# KiCad board CXD-ROUTER-V1.0_PUBLISH.kicad_pcb (continued)
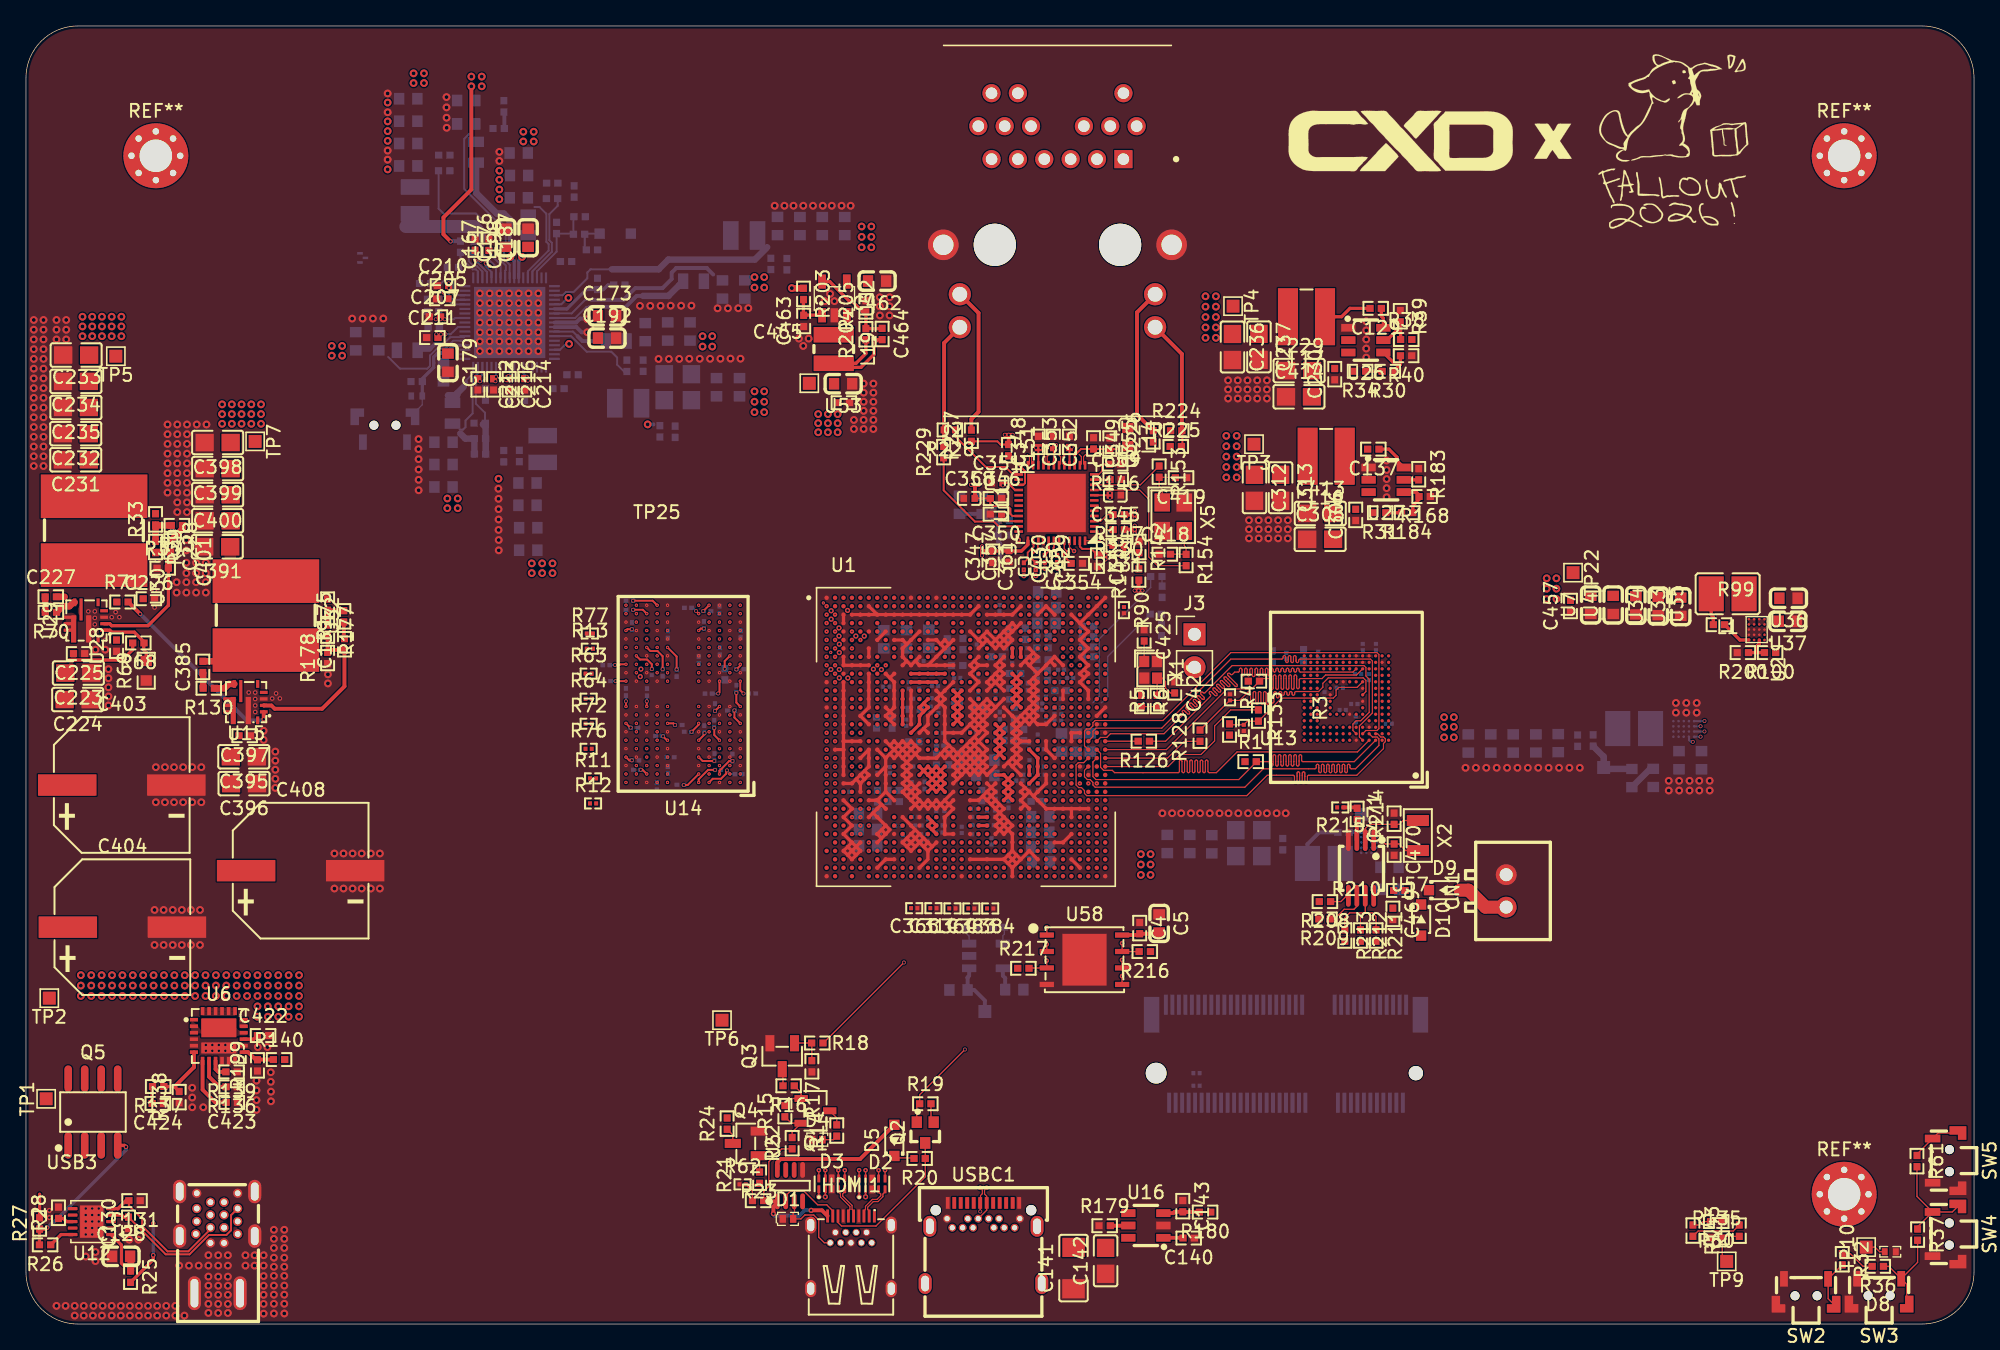
[diagram p0: board, top side]
## Routing (per net, layer and track width the routed paths; a pad name or vN(x,y) marks a point on that pad's centre or on a via; arc(x,y) is an arc through that point) (continued)
DDR_CH0_DQ6_B: length 31
  In1.Cu w0.09: v12(61.97,51.74) 61.66,52.05 v2(61.65,52.05) ; 52.65,54.08 v2(52.6,54.08) v7(52.9,53.78)
  In2.Cu w0.131: v12(61.97,51.74) 61.97,51.66 62.05,51.58 62.2,51.58 62.28,51.66 62.28,52.04 62.22,52.11 61.4,52.11 arc(61.35,52.09) 61.33,52.03 arc(61.3,51.98) 61.25,51.96 61.19,51.96 arc(61.14,51.98) 61.11,52.03 arc(61.09,52.09) 61.04,52.11 60.98,52.11 arc(60.93,52.09) 60.9,52.03 arc(60.88,51.98) 60.83,51.96 60.77,51.96 arc(60.72,51.98) 60.69,52.03 arc(60.67,52.09) 60.62,52.11 60.52,52.11 60.15,52.48 arc(60.12,52.55) 60.15,52.63 60.17,52.66 arc(60.21,52.73) 60.17,52.8 arc(60.1,52.83) 60.03,52.8 60,52.78 arc(59.92,52.75) 59.85,52.78 arc(59.82,52.85) 59.85,52.92 59.88,52.95 arc(59.91,53.03) 59.88,53.1 arc(59.8,53.13) 59.73,53.1 59.7,53.07 arc(59.63,53.04) 59.55,53.07 arc(59.52,53.15) 59.55,53.22 59.58,53.25 arc(59.61,53.33) 59.58,53.4 arc(59.5,53.43) 59.43,53.4 59.4,53.37 arc(59.33,53.34) 59.25,53.37 arc(59.22,53.45) 59.25,53.52 59.28,53.55 arc(59.31,53.62) 59.28,53.7 arc(59.21,53.73) 59.13,53.7 59.1,53.67 arc(59.03,53.64) 58.96,53.67 arc(58.92,53.74) 58.96,53.82 58.98,53.85 arc(59.01,53.92) 58.98,54 arc(58.91,54.03) 58.83,54 58.81,53.97 arc(58.73,53.94) 58.66,53.97 arc(58.63,54.04) 58.66,54.12 58.69,54.14 arc(58.72,54.22) 58.69,54.29 arc(58.61,54.32) 58.54,54.29 58.51,54.27 arc(58.43,54.23) 58.36,54.27 arc(58.33,54.34) 58.36,54.41 58.39,54.44 arc(58.42,54.52) 58.39,54.59 arc(58.31,54.62) 58.24,54.59 58.21,54.56 arc(58.14,54.53) 58.06,54.56 arc(58.03,54.64) 58.06,54.71 58.09,54.74 arc(58.12,54.81) 58.09,54.89 arc(58.02,54.92) 57.94,54.89 57.91,54.86 arc(57.84,54.83) 57.76,54.86 arc(57.73,54.94) 57.76,55.01 57.79,55.04 arc(57.82,55.11) 57.79,55.19 arc(57.72,55.22) 57.64,55.19 57.62,55.16 arc(57.54,55.13) 57.47,55.16 arc(57.44,55.23) 57.47,55.31 57.49,55.34 arc(57.52,55.41) 57.49,55.48 arc(57.42,55.52) 57.35,55.48 57.32,55.46 arc(57.24,55.43) 57.17,55.46 arc(57.14,55.53) 57.17,55.61 57.2,55.63 arc(57.23,55.71) 57.2,55.78 arc(57.12,55.81) 57.05,55.78 57.02,55.75 arc(56.95,55.72) 56.87,55.75 arc(56.84,55.83) 56.87,55.9 56.9,55.93 arc(56.93,56.01) 56.9,56.08 arc(56.82,56.11) 56.75,56.08 56.72,56.05 arc(56.65,56.02) 56.57,56.05 56.35,56.28 56.11,56.28 arc(56.04,56.31) 56,56.38 56,56.52 arc(55.97,56.59) 55.9,56.62 arc(55.82,56.59) 55.79,56.52 55.79,56.38 arc(55.76,56.31) 55.69,56.28 arc(55.61,56.31) 55.58,56.38 55.58,56.52 arc(55.55,56.59) 55.48,56.62 arc(55.4,56.59) 55.37,56.52 55.37,56.38 arc(55.34,56.31) 55.27,56.28 arc(55.19,56.31) 55.16,56.38 55.16,56.52 arc(55.13,56.59) 55.06,56.62 arc(54.98,56.59) 54.95,56.52 54.95,56.38 arc(54.92,56.31) 54.85,56.28 arc(54.77,56.31) 54.74,56.38 54.74,56.52 arc(54.71,56.59) 54.64,56.62 arc(54.56,56.59) 54.53,56.52 54.53,56.38 arc(54.5,56.31) 54.43,56.28 arc(54.35,56.31) 54.32,56.38 54.32,56.52 arc(54.29,56.59) 54.21,56.62 arc(54.14,56.59) 54.11,56.52 54.11,56.38 arc(54.08,56.31) 54,56.28 53.8,56.28 53.77,56.24 arc(53.69,56.21) 53.62,56.24 53.27,56.59 arc(53.2,56.62) 53.12,56.59 arc(53.09,56.51) 53.12,56.44 53.47,56.09 arc(53.5,56.02) 53.47,55.94 arc(53.4,55.91) 53.32,55.94 52.97,56.29 arc(52.9,56.32) 52.83,56.29 arc(52.79,56.21) 52.83,56.14 53.17,55.79 arc(53.2,55.72) 53.17,55.64 arc(53.1,55.61) 53.02,55.64 52.68,55.99 arc(52.6,56.02) 52.53,55.99 arc(52.5,55.92) 52.53,55.84 52.87,55.5 arc(52.9,55.42) 52.87,55.35 arc(52.8,55.32) 52.73,55.35 52.38,55.69 arc(52.3,55.72) 52.23,55.69 arc(52.2,55.62) 52.23,55.54 52.58,55.2 arc(52.61,55.12) 52.58,55.05 52.45,54.92 arc(52.48,54.85) 52.55,54.82 arc(52.62,54.79) 52.65,54.72 52.65,54.71 arc(52.62,54.64) 52.55,54.61 51.46,54.61 arc(51.38,54.58) 51.35,54.51 arc(51.38,54.43) 51.46,54.4 52.34,54.4 arc(52.42,54.37) 52.45,54.3 arc(52.42,54.22) 52.34,54.19 51.71,54.19 arc(51.63,54.16) 51.6,54.09 arc(51.63,54.01) 51.71,53.98 52.34,53.98 arc(52.42,53.95) 52.45,53.88 52.55,53.78 v7(52.9,53.78)
DDR_CH0_DQ7_A: length 15.8
  In1.Cu w0.09: v2(62.3,45.55) v7(62.02,45.27)
  In1.Cu w0.1: v2(52.6,42.38) v7(52.92,42.06)
  In2.Cu w0.131: v7(52.92,42.06) 53.24,41.73 arc(53.32,41.76) 53.35,41.84 53.35,42.06 arc(53.38,42.13) 53.45,42.16 arc(53.53,42.13) 53.56,42.06 53.56,41.84 arc(53.59,41.76) 53.66,41.73 arc(53.74,41.76) 53.77,41.84 53.77,42.06 arc(53.8,42.13) 53.87,42.16 arc(53.95,42.13) 53.98,42.06 53.98,41.84 arc(54.01,41.76) 54.09,41.73 55.56,41.73 arc(55.59,41.81) 55.56,41.88 55.36,42.09 arc(55.33,42.16) 55.36,42.23 arc(55.43,42.27) 55.51,42.23 55.71,42.03 arc(55.79,42) 55.86,42.03 arc(55.89,42.1) 55.86,42.18 55.66,42.38 arc(55.62,42.46) 55.66,42.53 arc(55.73,42.56) 55.8,42.53 56.01,42.33 arc(56.08,42.3) 56.16,42.33 arc(56.19,42.4) 56.16,42.48 55.95,42.68 arc(55.92,42.76) 55.95,42.83 arc(56.03,42.86) 56.1,42.83 56.31,42.63 arc(56.38,42.59) 56.46,42.63 57.25,43.42 57.25,44.23 58.24,45.23 61.98,45.23 v7(62.02,45.27)
DDR_CH0_DQ7_B: length 32.7
  In1.Cu w0.09: v2(62.3,51.4) 62.6,51.7 ; v2(52.6,54.73) v7(52.9,54.43)
  In2.Cu w0.131: v4(62.63,51.73) 63,52.1 65.5,52.1 65.56,52.04 67.32,52.04 arc(67.39,52.07) 67.43,52.14 67.43,55.56 arc(67.46,55.63) 67.53,55.66 arc(67.61,55.63) 67.64,55.56 67.64,52.14 arc(67.67,52.07) 67.74,52.04 68.06,52.04 68.2,51.9 68.2,51.6 68.05,51.45 65.6,51.45 65.25,51.8 63.35,51.8 62.9,51.35 61.97,51.35 61.6,51.73 60.47,51.73 56.22,55.98 54.4,55.98 54.15,55.73 53.55,55.73 52.9,55.08 v7(52.9,54.43)
DDR_CH0_DQ8_A: length 29.2
  In1.Cu w0.09: v2(62.3,42.3) v7(62.02,42.58)
  In1.Cu w0.1: v2(47,42.38) v7(47.32,42.06)
  In2.Cu w0.131: v7(47.32,42.06) 48.27,41.1 48.27,39.45 49.19,38.53 51.94,38.53 52.42,39.01 52.69,39.01 arc(52.76,38.98) 52.79,38.9 52.79,38.5 arc(52.82,38.42) 52.9,38.39 arc(52.97,38.42) 53,38.5 53,38.9 arc(53.03,38.98) 53.11,39.01 arc(53.18,38.98) 53.21,38.9 53.21,38.5 arc(53.24,38.42) 53.32,38.39 arc(53.39,38.42) 53.42,38.5 53.42,38.9 arc(53.45,38.98) 53.53,39.01 arc(53.6,38.98) 53.63,38.9 53.63,38.5 arc(53.66,38.42) 53.74,38.39 arc(53.81,38.42) 53.84,38.5 53.84,38.9 arc(53.87,38.98) 53.95,39.01 arc(54.02,38.98) 54.05,38.9 54.05,38.5 arc(54.08,38.42) 54.16,38.39 arc(54.23,38.42) 54.26,38.5 54.26,38.9 arc(54.3,38.98) 54.37,39.01 arc(54.44,38.98) 54.48,38.9 54.48,38.5 arc(54.51,38.42) 54.58,38.39 arc(54.65,38.42) 54.69,38.5 54.69,38.9 arc(54.72,38.98) 54.79,39.01 arc(54.87,38.98) 54.9,38.9 54.9,38.5 arc(54.93,38.42) 55,38.39 arc(55.08,38.42) 55.11,38.5 55.11,38.9 arc(55.14,38.98) 55.21,39.01 arc(55.29,38.98) 55.32,38.9 55.32,38.5 arc(55.35,38.42) 55.42,38.39 arc(55.5,38.42) 55.53,38.5 55.53,38.9 arc(55.56,38.98) 55.63,39.01 arc(55.71,38.98) 55.74,38.9 55.74,38.5 arc(55.77,38.42) 55.84,38.39 arc(55.92,38.42) 55.95,38.5 55.95,38.9 arc(55.98,38.98) 56.05,39.01 arc(56.13,38.98) 56.16,38.9 56.16,38.5 arc(56.19,38.42) 56.27,38.39 arc(56.34,38.42) 56.37,38.5 56.37,38.9 arc(56.4,38.98) 56.48,39.01 56.91,39.01 60.52,42.62 61.98,42.62 v7(62.02,42.58)
DDR_CH0_DQ8_B: length 35.2
  In1.Cu w0.09: v2(62.3,54) v4(62,54.3) ; v2(47,54.73) v7(47.3,54.43)
  In2.Cu w0.131: v4(62,54.3) 61.27,54.3 60.95,54.62 arc(60.92,54.7) 60.95,54.77 60.97,54.8 arc(61,54.87) 60.97,54.95 arc(60.9,54.98) 60.82,54.95 60.8,54.92 arc(60.72,54.89) 60.65,54.92 arc(60.62,54.99) 60.65,55.07 60.68,55.1 arc(60.71,55.17) 60.68,55.24 arc(60.6,55.28) 60.53,55.24 60.5,55.22 arc(60.42,55.19) 60.35,55.22 arc(60.32,55.29) 60.35,55.37 60.41,55.43 arc(60.44,55.5) 60.41,55.58 arc(60.34,55.61) 60.26,55.58 60.2,55.51 arc(60.13,55.48) 60.05,55.51 arc(60.02,55.59) 60.05,55.66 60.36,55.97 arc(60.39,56.05) 60.36,56.12 arc(60.29,56.15) 60.21,56.12 59.9,55.81 arc(59.83,55.78) 59.75,55.81 arc(59.72,55.89) 59.75,55.96 60.14,56.34 arc(60.17,56.42) 60.14,56.49 arc(60.06,56.52) 59.99,56.49 59.61,56.11 arc(59.53,56.08) 59.46,56.11 arc(59.43,56.18) 59.46,56.26 59.84,56.64 arc(59.87,56.71) 59.84,56.79 arc(59.76,56.82) 59.69,56.79 59.31,56.41 arc(59.23,56.38) 59.16,56.41 arc(59.13,56.48) 59.16,56.56 59.54,56.94 arc(59.57,57.01) 59.54,57.09 arc(59.47,57.12) 59.39,57.09 59.01,56.71 arc(58.94,56.67) 58.86,56.71 arc(58.83,56.78) 58.86,56.85 59.1,57.09 arc(59.13,57.17) 59.1,57.24 arc(59.03,57.27) 58.95,57.24 58.71,57 arc(58.64,56.97) 58.56,57 57.15,58.41 50.69,58.41 49.5,57.23 49.5,56.65 49.02,56.18 48.6,56.18 48.4,55.98 48.4,55.55 48.36,55.51 arc(48.29,55.48) 48.21,55.51 47.42,56.31 arc(47.34,56.34) 47.27,56.31 arc(47.24,56.23) 47.27,56.16 48.55,54.88 arc(48.58,54.81) 48.55,54.73 arc(48.47,54.7) 48.4,54.73 47.12,56.01 arc(47.05,56.04) 46.97,56.01 arc(46.94,55.93) 46.97,55.86 47.91,54.92 arc(47.94,54.85) 47.91,54.78 47.9,54.77 arc(47.83,54.74) 47.76,54.77 47.05,55.49 arc(46.97,55.52) 46.9,55.49 arc(46.87,55.41) 46.9,55.34 47.47,54.77 arc(47.5,54.69) 47.47,54.62 47.3,54.45 v7(47.3,54.43)
DDR_CH0_DQ9_A: length 29.2
  In1.Cu w0.09: v2(61.65,42.3) v8(61.25,42.3)
  In1.Cu w0.1: v2(47,43.03) v7(46.67,42.7)
  In2.Cu w0.131: v7(46.67,42.7) 46.67,42.44 arc(46.71,42.37) 46.78,42.34 46.87,42.34 arc(46.94,42.31) 46.97,42.23 arc(46.94,42.16) 46.87,42.13 46.43,42.13 arc(46.36,42.1) 46.33,42.02 arc(46.36,41.95) 46.43,41.92 46.92,41.92 arc(46.99,41.89) 47.02,41.81 arc(46.99,41.74) 46.92,41.71 46.43,41.71 arc(46.36,41.68) 46.33,41.6 arc(46.36,41.53) 46.43,41.5 47.52,41.5 arc(47.59,41.46) 47.62,41.39 arc(47.59,41.32) 47.52,41.29 46.43,41.29 arc(46.36,41.25) 46.33,41.18 arc(46.36,41.11) 46.43,41.07 47.92,41.07 arc(47.99,41.04) 48.02,40.97 arc(47.99,40.89) 47.92,40.86 46.78,40.86 arc(46.71,40.83) 46.67,40.76 46.67,40.52 46.76,40.43 arc(46.84,40.4) 46.91,40.43 46.95,40.46 arc(47.02,40.49) 47.1,40.46 arc(47.13,40.39) 47.1,40.31 46.94,40.15 arc(46.91,40.1) 46.94,40.05 46.98,40 arc(47.03,39.98) 47.08,40 47.25,40.16 arc(47.32,40.19) 47.39,40.16 arc(47.43,40.09) 47.39,40.01 47.23,39.85 arc(47.21,39.8) 47.23,39.75 47.28,39.7 arc(47.33,39.68) 47.38,39.7 47.54,39.87 arc(47.62,39.9) 47.69,39.87 arc(47.72,39.79) 47.69,39.72 47.66,39.68 arc(47.63,39.61) 47.66,39.53 49.06,38.13 56.58,38.13 60.75,42.3 v8(61.25,42.3)
DDR_CH0_DQ9_B: length 35.3
  In1.Cu w0.09: v2(47,54.08) v7(46.7,54.38)
  In2.Cu w0.09: v2(61.65,54.65) v11(61.3,54.65)
  In2.Cu w0.131: v11(61.3,54.65) 61.3,54.98 61.21,55.07 61.2,55.07 60.63,55.64 60.63,56.35 59.46,57.51 58.56,57.51 57.35,58.73 50.62,58.73 50.19,58.29 arc(50.11,58.26) 50.04,58.29 49.55,58.77 arc(49.48,58.8) 49.4,58.77 arc(49.37,58.7) 49.4,58.62 49.89,58.14 arc(49.92,58.06) 49.89,57.99 arc(49.82,57.96) 49.74,57.99 49.04,58.69 arc(48.97,58.72) 48.89,58.69 arc(48.86,58.61) 48.89,58.54 49.59,57.84 arc(49.62,57.77) 49.59,57.69 arc(49.52,57.66) 49.44,57.69 48.75,58.39 arc(48.67,58.42) 48.6,58.39 arc(48.57,58.32) 48.6,58.24 49.29,57.54 arc(49.33,57.47) 49.29,57.39 arc(49.22,57.36) 49.15,57.39 48.45,58.09 arc(48.37,58.12) 48.3,58.09 arc(48.27,58.02) 48.3,57.94 49.24,57 arc(49.27,56.93) 49.24,56.85 arc(49.17,56.82) 49.09,56.85 48.15,57.79 arc(48.08,57.83) 48,57.79 arc(47.97,57.72) 48,57.65 49.02,56.63 arc(49.05,56.56) 49.02,56.48 arc(48.94,56.45) 48.87,56.48 47.85,57.5 arc(47.78,57.53) 47.7,57.5 arc(47.67,57.42) 47.7,57.35 48.4,56.65 arc(48.43,56.58) 48.4,56.5 48.37,56.48 48.05,56.48 47.65,56.88 47.35,56.88 46.5,56.03 46.5,54.58 v7(46.7,54.38)
DDR_CH0_DQ10_A: length 29.2
  In1.Cu w0.09: v2(47,44.33) v7(46.72,44.04) ; v2(61.65,41.65) v8(61.25,41.65)
  In2.Cu w0.131: v8(61.25,41.65) 60.92,41.32 arc(60.89,41.24) 60.92,41.17 60.98,41.11 arc(61.01,41.03) 60.98,40.96 arc(60.91,40.93) 60.83,40.96 60.62,41.16 arc(60.55,41.19) 60.48,41.16 60.48,41.16 arc(60.45,41.09) 60.48,41.02 60.68,40.81 arc(60.71,40.73) 60.68,40.66 arc(60.61,40.63) 60.53,40.66 60.33,40.87 arc(60.26,40.9) 60.19,40.87 60.18,40.86 arc(60.15,40.79) 60.18,40.72 60.38,40.51 arc(60.42,40.44) 60.38,40.36 arc(60.31,40.33) 60.24,40.36 60.03,40.57 arc(59.96,40.6) 59.89,40.57 59.88,40.56 arc(59.85,40.49) 59.88,40.42 arc(59.91,40.35) 59.88,40.28 59.26,39.66 59.26,38.76 57.88,37.38 48.7,37.38 45.7,40.38 45.7,44.7 46.1,45.1 46.85,45.1 47.06,44.89 47.06,44.34 46.77,44.04 v7(46.72,44.04)
DDR_CH0_DQ10_B: length 34.9
  In1.Cu w0.09: v2(62.3,54.65) v4(62,54.95) ; v2(47,52.78) v7(46.7,53.08)
  In2.Cu w0.131: v7(46.7,53.08) 46.25,53.53 46.25,53.65 arc(46.28,53.72) 46.36,53.76 46.99,53.76 arc(47.07,53.79) 47.1,53.86 arc(47.07,53.94) 46.99,53.97 46.36,53.97 arc(46.28,54) 46.25,54.07 46.25,56.38 48.9,59.03 49.7,59.03 arc(49.77,59.06) 49.8,59.13 49.8,59.4 arc(49.83,59.47) 49.91,59.5 arc(49.98,59.47) 50.01,59.4 50.01,58.7 arc(50.04,58.63) 50.12,58.6 arc(50.19,58.63) 50.22,58.7 50.22,59.4 arc(50.25,59.47) 50.33,59.5 arc(50.4,59.47) 50.43,59.4 50.43,59.13 arc(50.46,59.06) 50.54,59.03 arc(50.61,59.06) 50.64,59.13 50.64,59.4 arc(50.67,59.47) 50.75,59.5 arc(50.82,59.47) 50.85,59.4 50.85,59.13 arc(50.88,59.06) 50.96,59.03 arc(51.03,59.06) 51.06,59.13 51.06,59.4 arc(51.1,59.47) 51.17,59.5 arc(51.24,59.47) 51.28,59.4 51.28,59.13 arc(51.31,59.06) 51.38,59.03 arc(51.45,59.06) 51.49,59.13 51.49,59.4 arc(51.52,59.47) 51.59,59.5 arc(51.67,59.47) 51.7,59.4 51.7,59.13 arc(51.73,59.06) 51.8,59.03 arc(51.88,59.06) 51.91,59.13 51.91,59.4 arc(51.94,59.47) 52.01,59.5 arc(52.09,59.47) 52.12,59.4 52.12,59.13 arc(52.15,59.06) 52.22,59.03 arc(52.3,59.06) 52.33,59.13 52.33,59.4 arc(52.36,59.47) 52.43,59.5 arc(52.51,59.47) 52.54,59.4 52.54,59.13 arc(52.57,59.06) 52.64,59.03 arc(52.72,59.06) 52.75,59.13 52.75,59.4 arc(52.78,59.47) 52.85,59.5 arc(52.93,59.47) 52.96,59.4 52.96,59.13 arc(52.99,59.06) 53.07,59.03 arc(53.14,59.06) 53.17,59.13 53.17,59.4 arc(53.2,59.47) 53.28,59.5 arc(53.35,59.47) 53.38,59.4 53.38,59.13 arc(53.41,59.06) 53.49,59.03 arc(53.56,59.06) 53.59,59.13 53.59,59.4 arc(53.62,59.47) 53.7,59.5 arc(53.77,59.47) 53.8,59.4 53.8,59.13 arc(53.83,59.06) 53.91,59.03 arc(53.98,59.06) 54.01,59.13 54.01,59.4 arc(54.04,59.47) 54.12,59.5 arc(54.19,59.47) 54.22,59.4 54.22,59.13 arc(54.25,59.06) 54.33,59.03 arc(54.4,59.06) 54.43,59.13 54.43,59.35 arc(54.46,59.42) 54.54,59.45 arc(54.61,59.42) 54.64,59.35 54.64,59.13 arc(54.68,59.06) 54.75,59.03 57.35,59.03 58.65,57.73 59.55,57.73 60.84,56.44 60.84,55.73 61.29,55.28 61.3,55.28 61.62,54.95 v4(62,54.95)
DDR_CH0_DQ11_A: length 29.2
  In1.Cu w0.09: v2(47,44.98) v7(46.72,44.69) ; v2(62.3,41.65) v7(62.02,41.93)
  In2.Cu w0.09: v2(62.3,41.65) 62.29,41.65
  In2.Cu w0.131: v7(62.02,41.93) 61.98,41.97 60.97,41.97 58.36,39.36 arc(58.33,39.29) 58.36,39.22 58.74,38.84 arc(58.77,38.77) 58.74,38.69 arc(58.66,38.66) 58.59,38.69 58.22,39.07 arc(58.14,39.1) 58.07,39.07 arc(58.04,38.99) 58.07,38.92 58.44,38.54 arc(58.47,38.47) 58.44,38.4 arc(58.37,38.36) 58.29,38.4 57.92,38.77 arc(57.84,38.8) 57.77,38.77 arc(57.74,38.69) 57.77,38.62 58.14,38.25 arc(58.17,38.17) 58.14,38.1 arc(58.07,38.07) 57.99,38.1 57.62,38.47 arc(57.55,38.5) 57.47,38.47 arc(57.44,38.4) 57.47,38.32 57.84,37.95 arc(57.88,37.87) 57.84,37.8 arc(57.77,37.77) 57.7,37.8 57.32,38.17 arc(57.25,38.2) 57.17,38.17 56.81,37.81 48.8,37.81 46.08,40.53 46.08,44.05 46.35,44.32 46.35,44.33 v7(46.72,44.69)
DDR_CH0_DQ11_B: length 34.9
  In1.Cu w0.09: v7(46.6,52.52) 47,52.12 ; v2(61.65,55.3) v12(61.4,55.55)
  In1.Cu w0.103: 47,52.12 v2(47,52.12)
  In2.Cu w0.131: v12(61.4,55.55) 61.05,55.9 61.05,56.53 59.44,58.14 arc(59.36,58.17) 59.29,58.14 59.13,57.98 arc(59.05,57.95) 58.98,57.98 arc(58.95,58.05) 58.98,58.13 59.55,58.7 arc(59.58,58.78) 59.55,58.85 arc(59.48,58.88) 59.41,58.85 58.73,58.17 arc(58.65,58.14) 58.58,58.17 arc(58.55,58.24) 58.58,58.32 59.26,59 arc(59.29,59.07) 59.26,59.15 arc(59.18,59.18) 59.11,59.15 58.43,58.47 arc(58.35,58.44) 58.28,58.47 arc(58.25,58.54) 58.28,58.62 58.96,59.3 arc(58.99,59.37) 58.96,59.45 arc(58.88,59.48) 58.81,59.45 58.54,59.18 arc(58.47,59.15) 58.4,59.18 58.25,59.33 57.99,59.33 arc(57.91,59.29) 57.88,59.22 57.88,59.09 arc(57.85,59.02) 57.78,58.99 arc(57.7,59.02) 57.67,59.09 57.67,59.66 arc(57.64,59.73) 57.57,59.76 arc(57.49,59.73) 57.46,59.66 57.46,59.43 arc(57.43,59.36) 57.36,59.33 arc(57.28,59.36) 57.25,59.43 57.25,59.66 arc(57.22,59.73) 57.15,59.76 arc(57.07,59.73) 57.04,59.66 57.04,59.43 arc(57.01,59.36) 56.94,59.33 arc(56.86,59.36) 56.83,59.43 56.83,59.66 arc(56.8,59.73) 56.73,59.76 arc(56.65,59.73) 56.62,59.66 56.62,59.43 arc(56.59,59.36) 56.52,59.33 arc(56.44,59.36) 56.41,59.43 56.41,59.66 arc(56.38,59.73) 56.3,59.76 arc(56.23,59.73) 56.2,59.66 56.2,59.43 arc(56.17,59.36) 56.09,59.33 arc(56.02,59.36) 55.99,59.43 55.99,59.66 arc(55.96,59.73) 55.88,59.76 arc(55.81,59.73) 55.78,59.66 55.78,59.43 arc(55.75,59.36) 55.67,59.33 arc(55.6,59.36) 55.57,59.43 55.57,59.66 arc(55.54,59.73) 55.46,59.76 arc(55.39,59.73) 55.36,59.66 55.36,59.43 arc(55.33,59.36) 55.25,59.33 55.15,59.33 54.7,59.78 49.3,59.78 45.91,56.39 45.91,53.21 v7(46.6,52.52)
DDR_CH0_DQ12_A: length 29.2
  In1.Cu w0.09: v2(61.65,43.6) v8(61.25,43.6)
  In1.Cu w0.1: v2(48.6,44.98) v7(48.92,44.66)
  In2.Cu w0.131: v7(48.92,44.66) 48.57,44.31 48.57,43.64 48.76,43.45 48.95,43.45 arc(49.02,43.42) 49.05,43.34 49.05,43.14 arc(49.08,43.07) 49.16,43.04 arc(49.23,43.07) 49.26,43.14 49.26,43.7 arc(49.29,43.77) 49.37,43.8 arc(49.44,43.77) 49.47,43.7 49.47,41.99 arc(49.5,41.92) 49.58,41.89 arc(49.65,41.92) 49.68,41.99 49.68,43.7 arc(49.71,43.77) 49.79,43.8 arc(49.86,43.77) 49.89,43.7 49.89,41.99 arc(49.92,41.92) 50,41.89 arc(50.07,41.92) 50.1,41.99 50.1,43.7 arc(50.13,43.77) 50.21,43.8 arc(50.28,43.77) 50.31,43.7 50.31,43.55 arc(50.35,43.48) 50.42,43.45 50.58,43.45 50.97,43.05 arc(50.94,42.98) 50.86,42.95 50.62,42.95 arc(50.54,42.92) 50.51,42.84 arc(50.54,42.77) 50.62,42.74 50.86,42.74 arc(50.94,42.71) 50.97,42.63 arc(50.94,42.56) 50.86,42.53 50.62,42.53 arc(50.54,42.5) 50.51,42.42 arc(50.54,42.35) 50.62,42.32 50.86,42.32 arc(50.94,42.29) 50.97,42.21 arc(50.94,42.14) 50.86,42.11 50.62,42.11 arc(50.54,42.07) 50.51,42 arc(50.54,41.93) 50.62,41.89 50.86,41.89 arc(50.94,41.86) 50.97,41.79 50.97,41.63 52.54,40.07 56.41,40.07 59.95,43.6 v8(61.25,43.6)
DDR_CH0_DQ12_B: length 33.7
  In1.Cu w0.09: v2(48.6,52.12) v7(48.9,52.43) ; v2(62.3,52.7) v4(62.6,53)
  In2.Cu w0.131: v7(48.9,52.43) 48.45,52.43 48.17,52.15 48.25,52.08 49,52.08 49.1,51.98 49,51.88 47.95,51.88 47.85,51.78 47.85,51.73 47.93,51.64 50.51,51.64 50.64,51.78 50.64,51.96 50.6,52 49.43,52 49.35,52.08 49.35,52.17 49.34,52.18 49.34,52.46 50.05,53.18 50.05,54.12 50.6,54.68 50.6,55.12 52.83,57.35 56.72,57.35 61.08,53 62.08,53 62.35,53.28 62.75,53.28 63.05,53.58 63.45,53.58 63.5,53.62 63.5,54.73 63.61,54.83 63.61,54.98 63.65,55.03 63.7,55.03 63.83,54.89 63.83,54.66 63.75,54.58 63.75,54.48 63.83,54.39 63.83,54.26 63.75,54.18 63.75,54.08 63.83,53.99 63.83,53.91 63.7,53.78 63.7,53.68 63.8,53.58 63.8,53.48 63.79,53.48 63.59,53.28 63.15,53.28 63.1,53.23 63.1,53.12 63.15,53.08 63.45,53.08 63.48,53.04 63.48,52.91 63.45,52.88 62.72,52.88 v4(62.6,53)
DDR_CH0_DQ13_A: length 29.2
  In1.Cu w0.09: v2(62.3,43.6) v7(62.02,43.88)
  In1.Cu w0.1: v2(48.6,44.33) v7(48.92,44.01)
  In2.Cu w0.131: v7(62.02,43.88) 61.98,43.92 59.79,43.92 56.29,40.43 52.64,40.43 51.26,41.81 51.26,43.16 51.02,43.4 arc(50.99,43.47) 51.02,43.54 51.26,43.78 arc(51.3,43.86) 51.26,43.93 arc(51.19,43.96) 51.12,43.93 50.88,43.69 arc(50.8,43.66) 50.73,43.69 arc(50.7,43.77) 50.73,43.84 51.99,45.11 arc(52.02,45.18) 51.99,45.26 arc(51.92,45.29) 51.84,45.26 50.58,43.99 arc(50.5,43.96) 50.43,43.99 50.41,44.01 arc(50.34,44.04) 50.31,44.11 50.31,45.44 arc(50.28,45.51) 50.2,45.55 arc(50.13,45.51) 50.1,45.44 50.1,44.11 arc(50.07,44.04) 49.99,44.01 arc(49.92,44.04) 49.89,44.11 49.89,45.44 arc(49.86,45.51) 49.78,45.55 arc(49.71,45.51) 49.68,45.44 49.68,44.11 arc(49.65,44.04) 49.57,44.01 arc(49.5,44.04) 49.47,44.11 49.47,44.49 arc(49.43,44.56) 49.36,44.6 arc(49.29,44.56) 49.25,44.49 49.25,44.11 arc(49.22,44.04) 49.15,44.01 v7(48.92,44.01)
DDR_CH0_DQ13_B: length 30.9
  In1.Cu w0.09: v2(48.6,52.78) v7(48.9,53.08)
  In2.Cu w0.09: v2(61.65,53.35) v11(61.3,53.35)
  In2.Cu w0.131: v11(61.3,53.35) 61.13,53.35 56.92,57.56 52.73,57.56 52.47,57.31 arc(52.4,57.28) 52.32,57.31 52.26,57.37 arc(52.19,57.4) 52.11,57.37 arc(52.08,57.29) 52.11,57.22 52.17,57.16 arc(52.2,57.08) 52.17,57.01 arc(52.1,56.98) 52.03,57.01 51.96,57.07 arc(51.89,57.1) 51.81,57.07 arc(51.78,57) 51.81,56.92 51.88,56.86 arc(51.91,56.78) 51.88,56.71 arc(51.8,56.68) 51.73,56.71 51.66,56.77 arc(51.59,56.8) 51.52,56.77 arc(51.48,56.7) 51.52,56.62 51.58,56.56 arc(51.61,56.49) 51.58,56.41 arc(51.5,56.38) 51.43,56.41 51.37,56.48 arc(51.29,56.51) 51.22,56.48 arc(51.19,56.4) 51.22,56.33 51.28,56.26 arc(51.31,56.19) 51.28,56.11 arc(51.21,56.08) 51.13,56.11 51.07,56.18 arc(50.99,56.21) 50.92,56.18 arc(50.89,56.1) 50.92,56.03 50.98,55.97 arc(51.01,55.89) 50.98,55.82 arc(50.91,55.79) 50.83,55.82 50.59,56.06 arc(50.52,56.09) 50.44,56.06 arc(50.41,55.98) 50.44,55.91 50.68,55.67 arc(50.72,55.59) 50.68,55.52 arc(50.61,55.49) 50.54,55.52 50.15,55.9 arc(50.08,55.93) 50.01,55.9 arc(49.97,55.83) 50.01,55.75 50.39,55.37 arc(50.42,55.3) 50.39,55.22 arc(50.31,55.19) 50.24,55.22 49.86,55.6 arc(49.78,55.63) 49.71,55.6 arc(49.68,55.53) 49.71,55.45 50.3,54.86 arc(50.33,54.79) 50.3,54.71 arc(50.23,54.68) 50.15,54.71 49.7,55.16 arc(49.63,55.19) 49.55,55.16 arc(49.52,55.09) 49.55,55.01 50,54.56 arc(50.03,54.49) 50,54.41 arc(49.93,54.38) 49.85,54.41 49.58,54.69 arc(49.5,54.72) 49.43,54.69 arc(49.4,54.61) 49.43,54.54 49.78,54.19 arc(49.81,54.12) 49.78,54.05 arc(49.7,54.01) 49.63,54.05 49.49,54.18 arc(49.42,54.21) 49.34,54.18 arc(49.31,54.1) 49.34,54.03 49.8,53.58 arc(49.83,53.5) 49.8,53.43 arc(49.72,53.4) 49.65,53.43 49.2,53.88 arc(49.12,53.91) 49.05,53.88 arc(49.02,53.81) 49.05,53.73 49.57,53.21 arc(49.6,53.13) 49.57,53.06 arc(49.5,53.03) 49.42,53.06 48.44,54.04 arc(48.36,54.07) 48.29,54.04 arc(48.26,53.97) 48.29,53.89 48.6,53.58 arc(48.63,53.51) 48.6,53.43 48.6,53.21 48.74,53.08 v7(48.9,53.08)
DDR_CH0_DQ14_A: length 29.2
  In1.Cu w0.09: v2(61.65,42.95) v8(61.25,42.95)
  In1.Cu w0.1: v2(48.6,43.03) v7(48.92,42.71)
  In2.Cu w0.131: v8(61.25,42.95) 60.35,42.95 56.76,39.36 52.21,39.36 arc(52.13,39.33) 52.1,39.25 52.1,39.1 arc(52.07,39.03) 52,39 arc(51.92,39.03) 51.89,39.1 51.89,39.25 arc(51.86,39.33) 51.79,39.36 arc(51.71,39.33) 51.68,39.25 51.68,38.9 arc(51.65,38.83) 51.58,38.8 arc(51.5,38.83) 51.47,38.9 51.47,39.25 arc(51.44,39.33) 51.37,39.36 arc(51.29,39.33) 51.26,39.25 51.26,38.9 arc(51.23,38.83) 51.15,38.8 arc(51.08,38.83) 51.05,38.9 51.05,39.25 arc(51.02,39.33) 50.94,39.36 arc(50.87,39.33) 50.84,39.25 50.84,38.9 arc(50.81,38.83) 50.73,38.8 arc(50.66,38.83) 50.63,38.9 50.63,39.25 arc(50.6,39.33) 50.52,39.36 arc(50.45,39.33) 50.42,39.25 50.42,38.9 arc(50.39,38.83) 50.31,38.8 arc(50.24,38.83) 50.21,38.9 50.21,39.25 arc(50.18,39.33) 50.1,39.36 arc(50.03,39.33) 50,39.25 50,38.9 arc(49.97,38.83) 49.89,38.8 arc(49.82,38.83) 49.79,38.9 49.79,39.71 arc(49.75,39.79) 49.68,39.82 arc(49.61,39.79) 49.58,39.71 49.58,38.9 arc(49.54,38.83) 49.47,38.8 arc(49.4,38.83) 49.36,38.9 49.36,39.25 arc(49.33,39.33) 49.26,39.36 48.93,39.36 48.5,39.79 48.5,40.02 arc(48.53,40.09) 48.61,40.12 49.09,40.12 arc(49.17,40.15) 49.2,40.23 arc(49.17,40.3) 49.09,40.33 48.61,40.33 arc(48.53,40.36) 48.5,40.44 arc(48.53,40.51) 48.61,40.54 48.69,40.54 arc(48.77,40.57) 48.8,40.65 arc(48.77,40.72) 48.69,40.75 48.61,40.75 arc(48.53,40.79) 48.5,40.86 arc(48.53,40.93) 48.61,40.97 48.79,40.97 arc(48.87,41) 48.9,41.07 arc(48.87,41.15) 48.79,41.18 48.61,41.18 arc(48.53,41.21) 48.5,41.28 arc(48.53,41.36) 48.61,41.39 48.84,41.39 arc(48.92,41.42) 48.95,41.49 arc(48.92,41.57) 48.84,41.6 48.16,41.6 arc(48.08,41.63) 48.05,41.7 arc(48.08,41.78) 48.16,41.81 48.39,41.81 arc(48.47,41.84) 48.5,41.91 48.5,42.29 v7(48.92,42.71)
DDR_CH0_DQ14_B: length 34.8
  In1.Cu w0.09: v2(48.6,54.08) v7(48.9,54.38) ; 62.3,53.33 v4(62.6,53.62)
  In2.Cu w0.131: v7(48.9,54.38) 48.9,54.53 49.3,54.92 49.3,55.53 50.1,56.33 50.75,56.33 51.9,57.48 51.9,57.78 51.97,57.85 56.93,57.85 61.1,53.68 61.1,53.68 62,53.68 62.4,54.08 62.4,55.78 62.15,56.03 62.15,55.48 62.05,55.38 61.9,55.38 61.8,55.48 61.8,56.23 61.55,56.48 61.55,55.83 61.53,55.8 61.3,56.03 61.3,56.73 59.65,58.38 59.65,58.5 59.73,58.58 59.85,58.58 62.75,55.68 62.75,55.43 62.65,55.33 62.65,54.18 62.7,54.12 62.85,54.12 62.9,54.18 62.9,54.62 62.95,54.68 63.07,54.68 63.15,54.6 63.15,53.98 62.9,53.73 62.7,53.73 v4(62.6,53.62)
  vias: v2(62.3,53.35)
DDR_CH0_DQ15_A: length 29.2
  In1.Cu w0.09: v2(62.3,42.95) v7(62.02,43.23)
  In1.Cu w0.1: v2(48.6,42.38) v7(48.92,42.06)
  In2.Cu w0.131: v7(62.02,43.23) 61.97,43.28 60.13,43.28 56.55,39.7 52.35,39.7 arc(52.27,39.73) 52.24,39.81 52.24,39.88 arc(52.21,39.95) 52.14,39.98 arc(52.06,39.95) 52.03,39.88 52.03,39.81 arc(52,39.73) 51.93,39.7 arc(51.85,39.73) 51.82,39.81 51.82,40.28 arc(51.79,40.35) 51.72,40.38 arc(51.64,40.35) 51.61,40.28 51.61,39.81 arc(51.58,39.73) 51.51,39.7 arc(51.43,39.73) 51.4,39.81 51.4,40.73 arc(51.37,40.8) 51.29,40.83 arc(51.22,40.8) 51.19,40.73 51.19,39.81 arc(51.16,39.73) 51.08,39.7 arc(51.01,39.73) 50.98,39.81 50.98,41.08 arc(50.95,41.15) 50.87,41.18 arc(50.8,41.15) 50.77,41.08 50.77,39.81 arc(50.74,39.73) 50.66,39.7 arc(50.59,39.73) 50.56,39.81 50.56,41.08 arc(50.53,41.15) 50.45,41.18 arc(50.38,41.15) 50.35,41.08 50.35,39.81 arc(50.32,39.73) 50.24,39.7 50.18,39.7 49.47,40.42 arc(49.44,40.49) 49.47,40.56 50.28,41.37 arc(50.31,41.45) 50.28,41.52 arc(50.2,41.55) 50.13,41.52 49.32,40.71 arc(49.24,40.68) 49.17,40.71 49.12,40.76 49.12,41.29 arc(49.15,41.36) 49.22,41.39 49.32,41.39 arc(49.39,41.42) 49.42,41.5 arc(49.39,41.57) 49.32,41.6 49.22,41.6 arc(49.15,41.63) 49.12,41.71 49.12,41.86 v7(48.92,42.06)